# KiCad board Inkplate 6 SS_panel.kicad_pcb (continued)
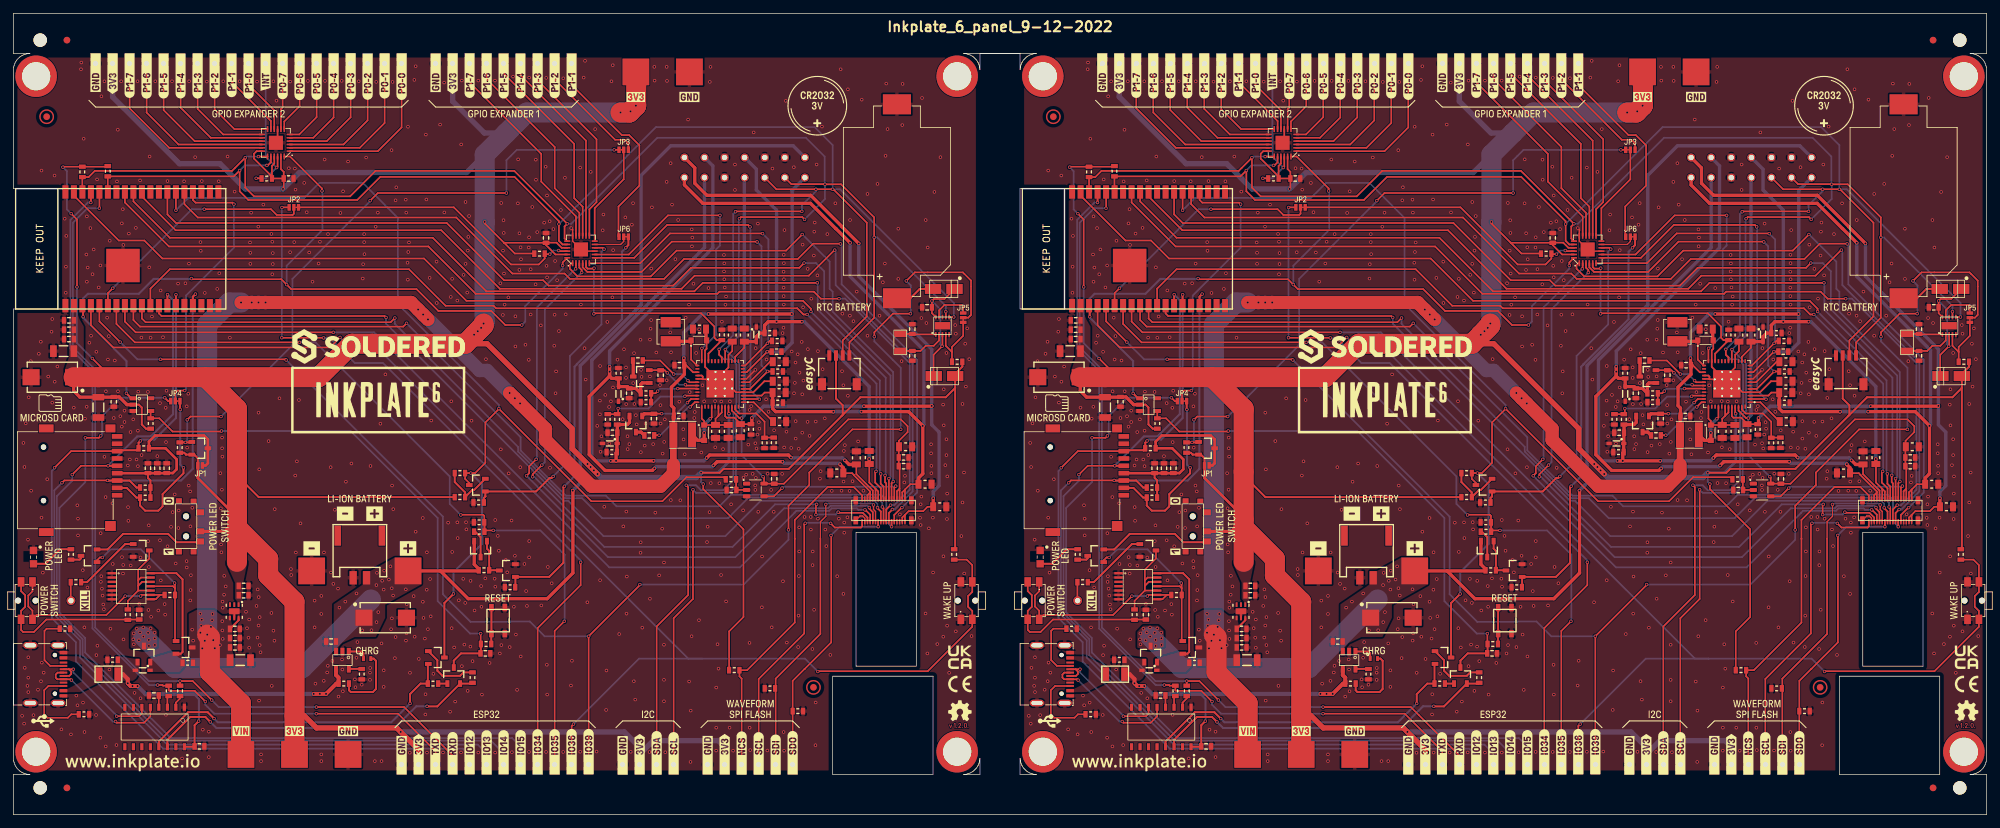
[diagram p0: board, top side]
## Routing (per net, layer and track width the routed paths; a pad name or vN(x,y) marks a point on that pad's centre or on a via; arc(x,y) is an arc through that point) (continued)
Board_0-SW_IN: length 17.1
  Top w0.3: U4#2.14 24.35,36.1 25.28,35.18 25.28,24.33 25,24.05 Q8#2.2
Board_0-SW_OUT_D: length 27.2
  Top w0.254: Q2.1 12.5,38.03 12.92,38.45 v1(13.3,38.45) ; 24.15,33.86 23.85,34.15 U4#2.11 ; 24.15,33.86 R25.2 24.15,26.11 Q8#2.1 ; 24.15,33.86 24.15,34.56 v1(24.08,34.62)
  Bottom w0.254: v1(13.3,38.45) 14.51,39.66 19.04,39.66 v1(24.08,34.62)
Board_0-TXD: length 129.7
  Top w0.254: K20#2.1 63.08,9.48 57.47,15.09 v1(45.26,15.09) ; v1(28.68,16.91) 27.08,18.51 23.31,18.51 23.19,18.63 23.2,18.64 R23#2.2 22.37,19.28 22.27,19.38 v1(21.55,19.38)
  Top w0.3: v1(11.57,91.52) 11.58,91.53 U12#2.35
  Bottom w0.254: v1(28.68,16.91) 28.68,16.43 30.02,15.09 v1(45.26,15.09) ; v1(11.57,91.52) 11.12,91.52 8.52,88.92 8.52,69.67 11.81,66.38 11.81,27.83 20.27,19.38 v1(21.55,19.38)
Board_0-V_BAT: length 119.9
  Top w0.254: U12#2.7 15.39,73.37 18.15,70.61 v1(42.75,70.61) ; v1(71.7,42.49) 70.57,42.49 R16#2.1 ; v1(82.3,28.9) 80.86,27.46 K18#2.1 ; R17#2.2 70.35,44.67 70.18,44.84 66.89,44.84 v1(66.85,44.8)
  Top w0.3: R16#2.1 70.38,43.68 R17#2.2
  Bottom w0.254: v1(82.3,28.9) 82.36,28.96 82.36,38.86 78.73,42.49 v1(71.7,42.49) ; v1(66.85,44.8) 65.19,46.46 65.19,50.56 45.14,70.61 v1(42.75,70.61)
Board_0-V_BAT_MOS: length 62.4
  Top w0.3: R15#2.2 75,34.03 Q3.1 80.06,35.55 82.17,37.66 82.17,48.94 v1(82.33,49.1) ; v1(91.5,84.75) 91.5,84.78 91.88,85.16 JP6.1
  Bottom w0.3: v1(91.5,84.75) 90.91,84.16 90.91,74.08 84.17,67.34 84.17,67.31 83.83,66.97 83.83,50.6 v1(82.33,49.1)
Board_0-VBAT: length 169.3
  Top w0.5: 63.79,36.44 67.95,32.28 79.74,32.28 83.59,36.13 83.59,48.42 v1(83.56,48.45) ; 63.79,36.44 69.44,36.44 R11.2 69.54,36.73 68.85,37.41 Q1#2.2 ; 63.79,36.44 PAD1.1
  Bottom w0.5: K1#2.8 116.5,100 98.2,100 93.78,95.58 93.78,76.21 84.7,67.13 84.7,49.59 v1(83.56,48.45)
  Bottom w3: v1(19.43,26.63) 24.12,21.93 43.18,21.93 53.41,32.16
  vias: v1(17.91,26.21) v1(17.97,27.09) v1(17.99,25.46) v1(18.42,27.81) v1(18.75,26.07) v1(18.92,27.25) v1(19.41,27.99) v1(20.12,27.18) v1(20.24,26.12) v1(20.25,25.22) v1(20.5,27.85) v1(21.1,27.21) v1(21.12,26.36) v1(21.14,25.37) v1(48.71,30.95) v1(49.58,31.85) v1(51.26,33.07) v1(52.13,27.55) v1(53.5,27.58) v1(54.23,34.32) v1(54.25,28.78) v1(54.32,36.15) v1(54.51,30.28) v1(55.09,34.96) v1(55.33,33.65) v1(55.39,36.48) v1(56.1,35.15) v1(56.33,37.12) v1(56.53,33.85) v1(56.73,32.76) v1(58.63,33.69)
Board_0-VCOM: length 74
  Top w0.254: 127.87,52.41 127.87,49.66 128.8,48.73 ; 128.8,48.73 K15.23 ; 128.8,48.73 129.2,48.33 K15.21 ; U1.14 107.84,68.46 109.2,69.82 C6.2 ; 110.98,70.73 D4#2.1
  Top w0.5: v1(127.85,53.17) 127.85,52.43 C54#2.2 ; C6.2 110.98,70.73 ; D4#2.1 111,71.48 111.52,72 R37#2.2 112.23,73.17 112.76,73.7 v1(114.02,73.7) v1(117.8,73.7)
  Bottom w0.5: v1(114.02,73.7) 114.02,90.38 111,93.4 111,96.5 K1#2.11 ; v1(117.8,73.7) 118.16,73.7 127.85,64.01 v1(127.85,53.17)
Board_0-VCOM_CTRL: length 50.4
  Top w0.254: U8#2.6 93.65,82.45 98.1,86.9 111.9,86.9 v1(111.93,86.87) ; U1.12 109.33,67.15 v1(112.65,70.47) 113,70.82 R6#2.1
  Bottom w0.254: v1(112.65,70.47) 112.8,70.62 112.8,86 v1(111.93,86.87)
Board_0-VDDH: length 104.9
  Top w0.254: C45.2 125.94,50.91 128.4,48.45 K15.25
  Top w0.5: v1(90.04,52.89) v1(89.25,52.89) ; v1(90.04,52.89) 90.04,54.07 R32.2 90.18,55.48 D2#2.2 90.2,57.07 C14.2 90.23,58.3 R39.2 91.73,58.33 92.05,58.65 D9.2 ; v1(90.04,52.89) 95.63,52.89 v1(95.64,52.9) ; C45.2 125.94,52.36 124.84,52.36 v1(124.22,52.98) ; v1(103.57,53.32) 104.02,53.77 115.79,53.77 v1(116.17,53.39)
  Bottom w0.5: v1(90.04,52.89) v1(89.25,52.89) 87.01,52.89 86.41,53.49 86.41,67.95 103.25,84.79 K1#2.2 ; v1(116.17,53.39) 116.22,53.34 123.86,53.34 v1(124.22,52.98) ; v1(103.57,53.32) 103.15,52.9 v1(95.64,52.9)
Board_0-VEE: length 111.2
  Top w0.254: 128,48.18 128,48.31 125.56,50.75 125.56,50.79 125.3,51.05 124,51.05 ; 128,48.18 K15.27 ; 128,48.18 127.6,47.78 K15.29
  Top w0.5: v1(104.58,52.21) 105.13,52.76 114.89,52.76 v1(114.9,52.77) ; v1(89.07,66.23) 89.07,65.57 86.03,62.53 86.03,53.83 88.39,51.46 95.46,51.46 v1(95.77,51.77) ; v1(89.07,66.23) v1(89.07,66.98) ; v1(89.07,66.23) 89.07,65.55 89.4,65.23 R38.2 90.4,64 D5.1 91.73,64 C15.2 93,63.73 R41.2 93.73,64.33 93.95,64.55 D6.1 ; C52.2 124,51.86 123.52,52.33 v1(123.52,52.4)
  Bottom w0.5: v1(123.52,52.4) 123.39,52.53 115.14,52.53 v1(114.9,52.77) ; v1(95.77,51.77) 96.03,52.03 104.4,52.03 v1(104.58,52.21) ; v1(89.07,66.23) v1(89.07,66.98) 89.07,69.31 104.5,84.74 104.5,97 K1#2.13
Board_0-VIN: length 237.8
  Top w0.254: C5.2 v1(112.62,69.22) 109.55,66.15 U1.10 ; C8#2.2 100.5,67.2 101.55,66.15 U1.27 ; 98.6,59.53 C10#2.2
  Top w0.3: C36#2.2 33.65,29.06 U3#2.6
  Top w0.5: v1(100.16,68.25) 100.16,67.27 C8#2.2 100.23,65.83 98.3,63.9 98.3,61.15 98.67,60.78 C10#2.2 ; L2#2.1 98.6,59.53 ; v1(116.3,74.85) v1(103.85,74.85)
  Top w1: 98.6,52.32 L2#2.1
  Top w2: v1(74.14,63.04) v1(74.93,62.26) v1(75.7,61.48) 79.49,57.69 79.49,56.01 86.41,49.09 96.67,49.09 98.6,51.02 98.6,52.32 ; v1(34.01,76.57) v1(35.61,76.57) v1(36.62,76.57) v1(37.67,76.57) 59.41,76.57 v1(60.47,75.52) v1(61.21,74.77) v1(61.94,74.04)
  Top w3: v1(28.96,26.91) 29.35,26.52 29.35,21.3 34,16.65 PAD4.1
  Bottom w0.5: v1(112.62,69.22) 112.66,69.18 114.95,69.18 116.34,70.57 116.34,74.81 v1(116.3,74.85) 116.34,74.89 116.34,93.34 K1#2.7 ; v1(103.85,74.85) 102.92,74.85 100.16,72.09 v1(100.16,68.25)
  Bottom w2: v1(37.67,76.57) v1(36.62,76.57) v1(35.61,76.57) v1(34.01,76.57) ; v1(60.47,75.52) v1(61.21,74.77) v1(61.94,74.04) 62.02,74.04 69.65,66.41 70.77,66.41 v1(74.14,63.04) v1(74.93,62.26) v1(75.7,61.48)
  Bottom w3: v1(34.01,76.57) 32.26,76.57 28.95,73.26 28.95,26.92 v1(28.96,26.91)
  vias: v1(26.71,27.66) v1(26.85,26.01) v1(27.93,30.04) v1(27.93,27.2) v1(28.05,28.23) v1(28.15,29.14) v1(28.22,24.86) v1(28.59,25.99) v1(29.52,28.07) v1(29.75,30) v1(29.68,29.07) v1(29.86,26.09) v1(30.09,24.88) v1(30.87,25.35) v1(31.2,28.92) v1(31.22,27.54) v1(31.28,26.27)
Board_0-VNEG: length 106.3
  Top w0.254: 133.2,48.6 134,49.4 C39.2 ; 133.2,48.6 K15.1 ; 133.2,48.6 132.8,48.2 K15.3 ; C2#2.2 112.24,63.1 111.79,62.65 U1.3
  Top w0.5: C39.2 135.23,50.33 135.87,50.97 135.87,58.13 133.75,60.25 v1(126.7,60.25) ; v1(122.5,60.24) 122.49,60.25 113.88,60.25 113.43,60.71 R8.1 C2#2.2 ; v1(125,85.5) 122.87,87.63 122.85,87.63 119.08,91.4 103,91.4 100.25,94.15 K1#2.1
  Bottom w0.5: v1(135.86,58.12) 136.02,58.28 136.02,69.44 125,80.46 v1(125,85.5) ; v1(126.7,60.25) 122.51,60.25 v1(122.5,60.24)
Board_0-VPOS: length 118.8
  Top w0.254: 133.2,44.83 132.8,44.43 K15.4 ; 133.2,44.83 133.75,45.38 135.93,45.38 136.58,46.03 C51.2 ; 133.2,44.83 K15.2 ; R20#2.1 C13.2 108.6,58.47 107.73,59.34 106.57,59.34 106.34,59.58 U1.44
  Top w0.5: K1#2.14 101.8,96.7 101.8,94.4 103.6,92.6 119.12,92.6 123.79,87.93 123.79,87.91 v1(126.3,85.4) ; v1(137.43,47.3) C51.2 ; R20#2.1 110.33,58.5 v1(110.33,59.3) ; v1(127.08,61.07) 137.16,61.07 v1(137.2,61.11)
  Bottom w0.5: v1(137.43,47.3) 137.43,48.3 138.3,49.17 138.3,57.19 137.2,58.29 v1(137.2,61.11) 137.2,69.58 126.3,80.48 v1(126.3,85.4) ; v1(110.33,59.3) 112.1,61.07 v1(127.08,61.07)
Board_0-VUSB: length 51
  Top w0.3: U5#2.16 27.02,10.15 C25#2.2 27.07,13.37 v1(27.68,13.98)
  Top w0.6: F1#2.1 16.36,21 17.09,20.27 v1(17.09,19.64) 17.51,19.22 v1(17.8,19.22) v1(18.55,19.22) ; U2#2.4 48.21,20.86 48.59,20.49 R9.1 48.25,19.59 v1(46.71,18.05) v1(45.79,18.05) v1(44.87,18.05)
  Bottom w0.3: 26.93,18.05 27.71,17.27 27.71,14.01 v1(27.68,13.98)
  Bottom w0.6: v1(17.09,19.64) 17.51,19.22 v1(17.8,19.22) v1(18.55,19.22) 19.72,18.05 v1(44.87,18.05) v1(45.79,18.05) v1(46.71,18.05)
Board_0-WAKEUP: length 54.4
  Top w0.254: R5#2.1 v1(112.66,66.26) 110.05,63.65 U1.5 ; v1(111.11,85.63) 111.07,85.67 98.37,85.67 93.84,81.14 85.75,81.14 85.05,81.83 U8#2.4
  Bottom w0.254: v1(111.11,85.63) 111.76,84.98 111.76,67.16 v1(112.66,66.26)
Board_1-3V3: length 696.5
  Top w0.254: 223.69,85.52 223.71,85.5 C55#2.2 ; 223.69,85.52 225.31,83.9 228.2,83.9 R45#2.1 ; 223.69,85.52 220.82,88.39 v1(220.82,88.62) ; R4.2 164.4,96.88 R1#2.2 157.88,96.88 v1(157.8,96.8) ; R36.1 257.33,27.4 259.48,29.55 259.48,42.67 253.46,48.68 v1(253.46,49.42) ; C55#2.2 230,85.52 231.55,85.52 232.32,84.75 U8.21 ; C55#2.2 229.98,85.15 231.38,83.75 U8.23 ; R31#2.2 290.9,39.63 290.9,39.6 ; 274.3,59.76 274.12,59.58 ; R51.1 189.03,97 189.37,97.34 U9#2.21 ; R51.1 C56.2 ; R51.1 189.03,95.41 186.34,98.09 186.34,98.81 186.73,99.2 U9#2.18 ; C56.2 190.79,96.11 190.37,96.53 U9#2.23 ; C56.2 190.79,93.64 190.7,93.55 ; v1(159.9,78.9) 159.9,88.99 v1(159.03,89.86) ; U1#2.45 257.24,60.03 v1(257.31,59.95) ; v1(162.2,68.2) 164.05,66.35
  Top w0.3: K8#2.3 273.3,62.2 274.3,61.2 274.3,59.76 ; R46.2 170.22,57.71 169.58,58.34 169.58,60.87 169.15,61.3 U6#2.2 ; JP1#2.2 177.95,53.3 177.42,53.83 Q10.2 176.18,53.83 176.18,53.85 175.93,54.11 R44.1 ; 290.9,39.6 291.1,39.8 291.1,63.8 ; R27.2 187.05,47.47 183.8,50.72 183.8,51.26 ; 291.1,63.8 289.7,62.4 276.94,62.4 266.24,51.7 256.5,51.7 255.92,51.12 v1(253.14,51.12) ; 291.1,63.8 D10#2.1 291.1,65.9 292.18,66.98 R33.2
  Top w0.4: JP1#2.2 177.95,50.33 183.8,44.48 183.8,44.13
  Top w0.5: C50#2.1 159.4,63.36 160.33,62.43 C29#2.2 165.37,62.43 C30.2 166.22,62.46 167.37,61.3 U6#2.2 ; 183.8,44.13 182.02,42.35 S1.2
  Top w0.8: K52.1 210.94,9.69 v1(208.27,12.37) 207.67,12.96 195.69,12.96 193.84,14.81 192.4,14.81 ; 217.9,70.4 221.18,70.4 233.88,57.7 233.88,54.73 v1(237.68,50.93)
  Top w1.2: 202.4,69.81 200.68,69.81 200.52,69.65 200.52,69.64 199.34,68.46 201.28,70.4 204,70.4
  Top w3: 179.1,65.4 183.8,60.7 183.8,42.92 ; 179.1,65.4 C50#2.1 ; 179.1,65.4 196,65.4 201,70.4 217.9,70.4 219.23,71.73 v1(219.23,71.75) 220.25,72.78 v1(220.28,72.78) v1(219.78,72.28) 220.65,73.15 v1(220.65,73.43) ; 243.4,110.8 243.45,110.75 243.45,106.05 v1(243.4,106) 243.4,105.95 v1(242.6,105.15) 242.43,104.98 v1(241.1,104.98) ; 183.8,42.92 188.47,38.25 188.47,35.76 192.4,31.83 PAD6#2.1 ; 183.8,42.92 183.8,37.8
  Bottom w0.254: v1(253.46,49.42) 253.14,49.74 v1(253.14,51.12) ; v1(157.8,96.8) 158.4,96.2 158.4,90.49 v1(159.03,89.86) ; v1(162.2,68.2) 159.9,70.5 v1(159.9,78.9)
  Bottom w0.4: v1(253.14,51.12) 255.65,51.12 257.31,52.79 v1(257.31,59.95)
  Bottom w0.8: K51.1 216.02,106.66 220.76,101.91 224.04,101.91 ; 220.82,98.7 218.13,96 193.13,96 v1(190.68,93.55) 185.05,93.55 181.28,97.33 175.2,97.33 165.22,107.31 K56.1 ; v1(253.14,51.12) 252.42,50.4 238.2,50.4 v1(236.18,52.43) ; v1(208.27,12.37) 241.67,12.37 243.96,10.07 K7.1 243.96,9.03 246,11.07 255.72,11.07 256.66,10.13 K30.1
  Bottom w3: v1(243.4,106) 243.4,105.95 v1(242.6,105.15) 242.43,104.98 v1(241.1,104.98) 227.1,104.98 220.82,98.7 v1(220.82,88.62) 220.8,88.6 220.8,73.58 v1(220.65,73.43) 220.65,73.15 v1(219.78,72.28) v1(220.28,72.78) 220.25,72.78 v1(219.23,71.75)
  vias: v1(236.65,51.98) v1(237.13,51.48)
Board_1-3V3-EINK: length 88.9
  Top w0.254: K15#2.7 282.4,48.35 282.8,48.75 ; v1(262.4,50.53) 262.55,50.38 U7#2.5 264.06,49.49 C31.2 265.51,49.48 275.13,59.1 282.98,59.1 284,58.08 284,57.2 282.69,55.89 282.69,54.75 282.67,54.73 C44#2.2 C43.2 282.8,51.97 K15#2.5 ; v1(259.2,59.29) 258.86,59.29 257.74,60.42 U1#2.46
  Bottom w0.254: v1(262.4,50.53) 259.2,53.73 v1(259.2,59.29)
  Bottom w0.5: K1.4 259.6,95.2 259.6,59.69 v1(259.2,59.29)
Board_1-3V3_MICROSD: length 34.2
  Top w0.3: C34#2.2 170.5,50.35 170.88,49.98 R47#2.2
  Top w0.4: JP1#2.1 179.14,52.21 179.46,52.53 Q10.3 179.46,56.11 178.89,56.68 171.56,56.68 170.65,55.77 R49#2.2 173.13,54.78 174.79,53.11 174.79,51.64 174.22,51.07 C32.2 173.28,51.05 K13.4
Board_1-3V3_RTC: length 20.9
  Top w0.254: U10.10 287.63,74.97 C42.2 v1(287.63,76.8) 287.93,77.1 289.5,77.1 D11.2 ; D10#2.2 287.87,65.6 287.87,68.75 v1(289.15,70.03) 289.2,70.08 U10.3
  Bottom w0.254: v1(289.15,70.03) 288.9,70.28 288.9,75.53 v1(287.63,76.8)
Board_1-/CTRL & COMS/CH_RXD: length 1.8
  Top w0.254: R23.1 173.41,17.53 U5.3
Board_1-/CTRL & COMS/CH_TXD: length 1.9
  Top w0.254: U5.2 174.68,16.75 175.3,17.37 R24.1
Board_1-/CTRL & COMS/DTR: length 49.6
  Top w0.3: v1(180.38,14.36) 179.43,15.31 176.51,15.31 172.14,10.94 U5.13 ; Q7#2.2 212.32,22.47 R19.2 211.23,19.59 209.66,18.02 v1(209.66,16.62)
  Bottom w0.3: v1(209.66,16.62) 206.85,13.81 180.93,13.81 v1(180.38,14.36)
Board_1-/CTRL & COMS/RTS: length 51.5
  Top w0.3: v1(179.82,13.86) 179.07,14.61 176.83,14.61 173.41,11.19 U5.14 ; R22#2.2 218.87,19.59 Q5.2 213.73,16.18 212.22,16.18 v1(212.2,16.2)
  Bottom w0.3: v1(179.82,13.86) 180.73,12.95 207.35,12.95 210.6,16.2 v1(212.2,16.2)
Board_1-/MCU/GPB_3: length 29.8
  Top w0.254: U8.13 236.45,90.52 237.52,91.59 237.52,100.98 228.72,109.78 K19.1
Board_1-/MCU/GPB_4: length 29.8
  Top w0.254: K23.1 226.18,110.55 235.95,100.78 U8.14
Board_1-/MCU/GPB_5: length 30.6
  Top w0.254: U8.15 235.45,90.9 234.18,92.17 234.18,100.29 223.64,110.83 K24#2.1
Board_1-/MCU/GPB_6: length 31.5
  Top w0.254: K31.1 221.1,109.99 231.27,99.82 231.27,93.66 234.95,89.98 U8.16
Board_1-/MCU/GPB_7: length 32.3
  Top w0.254: K32.1 218.56,109.49 229.26,98.79 229.26,94.64 234.45,89.45 U8.17
Board_1-/MCU/INTB: length 45.1
  Top w0.254: v1(230.54,83.8) 229.85,83.8 R45#2.2 229.78,83.14 228.9,82.26 224.74,82.26 216.2,90.8 JP2#2.1 ; v1(231.86,84.34) 231.95,84.25 U8.22
  Bottom w0.254: v1(230.54,83.8) 231.08,84.34 v1(231.86,84.34)
Board_1-/POWER/INT_LDO: length 5.7
  Top w0.254: C4.2 263.44,67.72 260.37,64.65 U1#2.7
Board_1-/POWER/TS: length 9.4
  Top w0.254: U1#2.47 258.24,60.57 258.83,59.98 261.39,59.98 262.62,58.75 R3#2.2 262.65,56.38 R2.2
Board_1-/POWER/VB: length 11
  Top w0.254: U1#2.37 253.24,59.22 253.6,58.85 D3.1 257.18,58.25 C12#2.2 ; 255.74,59.63 255.3,59.19 C11#2.1 ; 255.74,59.63 U1#2.42 ; 255.74,59.63 256.24,60.13 U1#2.43
Board_1-/POWER/VB_SW: length 7.7
  Top w0.254: v1(254.5,59.18) 254.74,59.42 U1#2.40
  Top w0.5: v1(253.6,57.07) D3.2 252.65,55.95 L2.2
  Bottom w0.5: v1(254.5,59.18) 253.6,58.28 v1(253.6,57.07)
Board_1-/POWER/VN: length 22.6
  Top w0.254: U1#2.49 254.48,66.2 253.74,66.95 U1#2.23 253.74,69.43 253.96,69.65 253.96,70.89 D1.2 ; U1#2.28 253.23,65.65 253.39,65.49 253.39,65.23 253.31,65.15 ; U1#2.49 257.24,66.86 U1#2.16 257.24,68.74 257.8,69.3 C7.2 ; U1#2.49 258.35,63.15 U1#2.4 260.95,63.15 262.6,64.8 C3.2 ; U1#2.49 253.38,65.09 253.31,65.15 ; 253.31,65.15 U1#2.29
  Top w0.5: C9#2.1 253.88,70.98 D1.2
Board_1-/POWER/VN_SW: length 7.3
  Top w0.254: U1#2.25 252.53,67.15 251.65,68.03 D1.1
  Top w0.5: L1.2 251.53,70.78 D1.1
Board_1-/POWER/VREF: length 5.7
  Top w0.254: U1#2.1 261.01,61.65 C1#2.2
Board_1-/SD_RTC_GPIO/CLKOUT_RTC: length 6
  Top w0.254: U10.9 288.7,75.4 289.5,76.2 292.1,76.2 292.3,76 JP5#2.3
Board_1-/SD_RTC_GPIO/X1: length 5.3
  Top w0.254: U10.1 284.77,71.8 C40.2 284.69,71.88 X1.1
Board_1-/SD_RTC_GPIO/X2: length 7.4
  Top w0.254: X1.2 C41#2.2 285.93,69.33 286.7,70.1 287.9,70.1 288.7,70.9 U10.2
Board_1-D+: length 20.4
  Top w0.254: U5.5 170.87,14.69 169.92,13.74 165.84,13.74 v1(165.66,13.92) ; v1(159.07,20.11) 158.94,20.24 K3.B6 156.96,20.24 156.72,20.48 156.72,20.95 157.01,21.24 K3.A6
  Bottom w0.254: v1(165.66,13.92) 165.65,13.91 165.27,13.91 v1(159.07,20.11)
Board_1-D-: length 18.2
  Top w0.254: K3.A7 158.75,20.74 159.04,21.03 159.04,21.38 158.68,21.74 ; v1(159.35,21.74) 158.69,21.74 158.68,21.74 ; 158.68,21.74 K3.B7 ; v1(165.83,14.71) 169.2,14.71 169.6,15.11 U5.6
  Bottom w0.254: v1(165.83,14.71) 165.83,14.79 159.35,21.27 v1(159.35,21.74)
Board_1-EPD_CKV: length 134
  Top w0.254: 277.63,45.45 277.8,45.45 278.4,44.85 K15#2.28 ; v1(198.2,72.11) 168.67,72.11 167.06,73.72 U12.8
  Bottom w0.254: v1(198.2,72.11) 204.29,72.11 239.43,36.98 258.95,36.98 267.1,45.13 267.1,45.15 267.37,45.42 272.29,45.42 272.66,45.79 276.42,45.79 276.64,45.58 v1(277.63,45.58)
Board_1-EPD_CL: length 22.3
  Top w0.254: U7#2.4 264.01,47.59 v1(265.24,48.82) ; K15#2.9 282,48.9 v1(282.23,49.13)
  Bottom w0.254: v1(282.23,49.13) 282.13,49.03 265.45,49.03 v1(265.24,48.82)
Board_1-EPD_D0: length 146
  Top w0.254: v1(268.53,82.47) 267.82,81.76 251.63,81.76 248.97,79.1 230.35,79.1 229.55,79.9 223.7,79.9 215.15,88.45 174.7,88.45 173.41,89.74 U12.26 ; v1(281.2,50.25) K15#2.13
  Bottom w0.254: v1(268.53,82.47) 270.3,82.47 271.53,81.24 271.53,75.55 281.45,65.64 281.45,50.49 v1(281.2,50.25)
Board_1-EPD_D1: length 159.4
  Top w0.254: v1(273.11,84.41) 273.07,84.41 269.24,80.58 252.18,80.58 250.23,78.63 223.07,78.63 214.32,87.38 174.64,87.38 169.6,92.41 U12.29 ; v1(281.73,45.63) 281.2,45.1 K15#2.14
  Bottom w0.254: v1(273.11,84.41) 273.25,84.27 273.25,79.17 284.74,67.68 284.74,48.31 282.05,45.63 v1(281.73,45.63)
Board_1-EPD_D2: length 146.3
  Top w0.254: v1(270.5,79.52) 270.48,79.5 253.39,79.5 252.14,78.25 221.05,78.25 213.05,86.25 173.77,86.25 168.33,91.69 U12.30 ; K15#2.15 280.8,49.53 280.63,49.7 v1(280.63,50.73)
  Bottom w0.254: v1(280.63,50.73) 280.73,50.83 280.73,65.34 270.57,75.49 270.57,79.45 v1(270.5,79.52)
Board_1-EPD_D3: length 154.5
  Top w0.254: v1(273.75,77.14) 271.05,77.14 270,78.19 255.89,78.19 255.57,77.87 219.48,77.87 212.4,84.95 173.64,84.95 167.06,91.53 U12.31 ; v1(281.45,46.28) 280.8,45.63 K15#2.16
  Bottom w0.254: v1(281.45,46.28) 282,46.28 284.31,48.59 284.31,67.51 274.67,77.15 273.76,77.15 v1(273.75,77.14)
Board_1-EPD_D4: length 150.6
  Top w0.254: v1(269.55,75.22) 269.55,75.64 268.37,76.82 218.08,76.82 211.75,83.15 172.65,83.15 169.96,85.84 166.15,85.84 159.44,92.55 U12.37 ; K15#2.17 280.4,49.05 279.98,49.48 v1(279.98,50.95)
  Bottom w0.254: v1(279.98,50.95) 279.85,51.08 279.85,64.92 v1(269.55,75.22)
Board_1-EPD_D5: length 130.8
  Top w0.254: U12.10 169.6,74.18 170.16,73.62 206.76,73.62 v1(207.39,74.25) ; v1(280.23,46) 280.4,45.83 K15#2.18
  Bottom w0.254: v1(280.23,46) 280.23,46.6 279.43,47.4 260.23,47.4 257.15,44.33 238.35,44.33 235.37,47.31 232.78,47.31 225.8,54.29 225.8,54.98 207.39,73.39 v1(207.39,74.25)
Board_1-EPD_D6: length 137
  Top w0.254: v1(268.99,74.78) 268.44,74.78 267.51,75.71 222.51,75.71 222.14,76.08 214.97,76.08 209.5,81.55 173.78,81.55 170.87,78.65 U12.11 ; K15#2.19 280,48.8 279.15,49.65 279.15,51.2 v1(279.28,51.33)
  Bottom w0.254: v1(279.28,51.33) 279.35,51.4 279.35,64.43 269,74.78 v1(268.99,74.78)
Board_1-EPD_D7: length 128.1
  Top w0.254: v1(279.5,45.88) 279.5,45.83 280,45.33 K15#2.20 ; v1(206.08,74.33) 205.86,74.55 172.53,74.55 172.14,74.94 U12.12
  Bottom w0.254: v1(206.08,74.33) 206.08,73.41 232.56,46.93 233.28,46.93 238.56,41.65 256.78,41.65 262.05,46.93 279.05,46.93 279.5,46.48 v1(279.5,45.88)
Board_1-EPD_GMODE: length 96.7
  Top w0.254: v1(228.5,53.12) 227.45,52.07 227.45,51.05 v1(227.06,50.66) ; K15#2.26 278.8,45.23 278.28,45.75 v1(278.28,45.93) ; v1(234.4,81.6) 234.45,81.65 U8.2
  Bottom w0.254: v1(227.06,50.66) 227.07,50.66 239.23,38.5 258.25,38.5 265.55,45.8 272.13,45.8 272.5,46.17 278.03,46.17 v1(278.28,45.93) ; v1(234.4,81.6) 234.38,81.6 228.61,75.84 228.61,53.23 v1(228.5,53.12)
Board_1-EPD_LE: length 154.4
  Top w0.254: v1(283.15,45.9) 283.1,45.9 282,44.8 K15#2.10 ; U12.24 175.95,91.28 177.95,89.28 216.57,89.28 224.95,80.9 232.75,80.9 233.55,80.1 247.62,80.1 250.59,83.07 267.58,83.07 269.88,85.37 273.93,85.37 v1(273.97,85.33)
  Bottom w0.254: v1(273.97,85.33) 274.14,85.16 274.14,79.29 285.41,68.02 285.41,48.16 v1(283.15,45.9)
Board_1-EPD_OE: length 84.2
  Top w0.254: v1(281.85,49.8) 281.6,49.55 K15#2.11 ; U8.1 233.79,82.45 233.53,82.19 233.53,81.62 234.67,80.48 245.63,80.48 249.48,84.33 265.84,84.33 v1(268.25,86.74)
  Bottom w0.254: v1(268.25,86.74) 268.29,86.74 272.35,82.68 272.35,78.63 272.8,78.18 272.8,75.2 281.83,66.18 281.83,49.83 v1(281.85,49.8)
Board_1-EPD_SPH: length 133.9
  Top w0.254: U12.9 168.33,73.95 169.31,72.97 208.65,72.97 v1(209.14,73.46) ; v1(281.6,43.05) K15#2.12
  Bottom w0.254: v1(281.6,43.05) 280.83,43.82 280.83,47.05 280.05,47.83 257.6,47.83 255.88,46.1 240.5,46.1 238.91,47.69 232.93,47.69 226.18,54.45 226.18,56.43 v1(209.14,73.46)
Board_1-EPD_SPV: length 94.9
  Top w0.254: v1(229.35,52.26) 227.98,50.89 v1(227.98,50.51) ; U8.3 234.95,81.78 235.3,81.43 v1(235.3,81.05) ; v1(270.3,44.85) 270.3,46.29 v1(270.4,46.39) ; v1(273.63,45.23) 273.73,45.13 277.3,45.13 278,44.42 K15#2.30
  Bottom w0.254: v1(229.35,52.26) 229.8,52.71 229.8,75.55 v1(235.3,81.05) ; v1(273.63,45.23) 273.28,44.88 270.33,44.88 v1(270.3,44.85) ; v1(270.4,46.39) 264.19,46.39 257.83,40.03 238.69,40.03 228.2,50.51 v1(227.98,50.51)
Board_1-GND: length 13.9
  Top w0.2: v1(233.73,87.7) 233.95,87.48 U8.18 233.95,85.75 U8.25 235.45,84.25 U8.9 ; v1(261.25,66.5) 259.9,65.15 U1#2.8 ; K15#2.SH 276.9,44.65 277.27,44.65 277.6,44.32 K15#2.32 ; 257.5,61.85 v1(257.45,61.8)
  Top w0.254: U9#2.25 189.87,100.7 U9#2.9 ; U3.5 U3.5
  vias: v1(151.7,14.77) v1(151.9,55.58) v1(152,13.6) v1(152.05,51.98) v1(152.1,21.95) v1(152.25,58.5) v1(152.5,19.25) v1(152.58,41.11) v1(152.63,23.53) v1(152.63,20.48) v1(152.63,18.33) v1(152.7,62.4) v1(153,67.8) v1(153.05,48.43) v1(153.4,14.88) v1(154.08,18.68) v1(154.2,68.9) v1(154.5,70.7) v1(154.53,19.95) v1(154.6,96.3) v1(154.6,44.4) v1(154.65,22.73) v1(154.8,36.18) v1(154.93,21.23) v1(155.45,50.15) v1(155.6,65.5) v1(156.1,72.2) v1(156.2,74.1) v1(156.2,61.6) v1(156.55,95.55) v1(156.58,64.73) v1(156.98,67) v1(157.58,12.75) v1(158.08,89.1) v1(158.23,78.03) v1(158.3,86.53) v1(158.25,81.93) v1(159,12) v1(159.43,60.85) v1(159.8,17.8) v1(159.95,46.25) v1(159.98,16.35) v1(160.05,44.25) v1(160.05,41.75) v1(160.5,111.45) v1(160.55,112.45) v1(160.78,36.55) v1(160.8,16.75) v1(160.9,101.05) v1(161,28) v1(161.03,12.35) v1(161.1,59.2) v1(161.3,83.75) v1(161.38,89.45) v1(161.38,79.68) v1(161.35,60.98) v1(161.5,81.8) v1(161.46,33.96) v1(161.75,70.55) v1(161.9,87.7) v1(162,71.6) v1(162.23,80.8) v1(162.4,84.5) v1(162.8,69.2) v1(162.8,23.85) v1(162.75,14.9) v1(162.9,94.98) v1(162.95,25.25) v1(163.15,78.83) v1(163.4,82.11) v1(163.44,42.08) v1(163.4,11.5) v1(163.53,35.65) v1(163.48,34.8) v1(163.55,107.4) v1(163.63,33.78) v1(163.73,32.75) v1(163.83,31.43) v1(163.92,30.71) v1(164,109.65) v1(164,53.5) v1(164.23,63.3) v1(164.18,47.48) v1(164.2,10.2) v1(164.4,74.3) v1(164.53,68.05) v1(164.65,71.55) v1(164.8,85.8) v1(164.75,21.7) v1(164.9,27.8) v1(165.2,46.55) v1(165.25,37.48) v1(165.4,59.3) v1(165.55,67.9) v1(165.8,10.4) v1(165.88,94.68) v1(166,102.4) v1(166.03,63.3) v1(166.38,59.58) v1(166.5,109.65) v1(166.6,88.4) v1(166.6,58) v1(166.63,38.5) v1(166.75,90.53) v1(166.83,85.18) v1(166.8,37.33) v1(166.78,36.05) v1(166.85,26.2) v1(167,60.4) v1(167,58.7) v1(167.5,52.2) v1(167.53,45.98) v1(167.58,43.93) v1(167.65,86.88) v1(167.8,53.1) v1(167.9,57.2) v1(167.93,37.25) v1(168.3,59.1) v1(168.5,18.2) v1(168.7,87.73) v1(168.8,53.1) v1(168.95,109.65) v1(169,57.4) v1(169,52.1) v1(169.05,63.25) v1(169.2,31.53) v1(169.33,94.83) v1(169.4,38.45) v1(169.4,17.4) v1(169.53,71.33) v1(169.56,53.76) v1(170.5,63.2) v1(170.53,40.9) v1(170.63,43.25) v1(170.58,30.6) v1(170.69,81.83) v1(170.65,37.03) v1(170.75,98.4) v1(170.9,71.3) v1(170.98,29.58) v1(171.1,74.48) v1(171.6,109.65) v1(171.9,53.6) v1(172.05,30.53) v1(172.3,61.53) v1(172.3,41.03) v1(172.4,78.38) v1(172.43,35.03) v1(172.75,71.38) v1(173,31.48) v1(173.08,29.9) v1(173.15,60.83) v1(173.2,55.7) v1(173.19,14.92) v1(173.28,63.38) v1(173.43,94.73) v1(173.43,40.13) v1(173.95,43.03) v1(174.1,109.65) v1(174.2,45.23) v1(174.5,47.88) v1(174.65,37.55) v1(175,79.4) v1(175.1,45.48) v1(175.05,42.85) v1(175.6,8.4) v1(175.9,94.7) v1(176.1,79.45) v1(176.3,61.05) v1(176.28,37.9) v1(176.3,36.95) v1(176.35,54.88) v1(176.53,62.93) v1(176.63,82.38) v1(176.6,49.2) v1(176.65,109.65) v1(176.8,48.33) v1(176.83,32.03) v1(176.85,43.1) v1(176.93,35.8) v1(176.88,33.58) v1(177.13,45.88) v1(177.55,98.3) v1(178.35,85.6) v1(178.4,84.3) v1(178.55,94.73) v1(178.7,12.7) v1(179,78) v1(179.3,109.6) v1(179.6,12.4) v1(179.6,8.6) v1(180.85,78.6) v1(181.08,94.7) v1(181.15,80.95) v1(181.33,51.05) v1(181.4,45.8) v1(181.43,40.4) v1(181.48,39.23) v1(181.58,56.38) v1(181.58,54.78) v1(181.63,53.53) v1(181.55,48.58) v1(181.65,31.85) v1(181.68,30.93) v1(181.75,109.65) v1(181.9,35.7) v1(181.88,32.88) v1(182.13,34.13) v1(182.4,98.4) v1(182.74,71.31) v1(183.45,93.15) v1(184.2,109.65) v1(185.15,30.33) v1(185.3,27.88) v1(185.53,26.45) v1(185.63,29.18) v1(185.63,24.95) v1(185.75,85.55) v1(185.8,84) v1(185.8,82.35) v1(185.92,90) v1(186.73,31.2) v1(186.8,109.6) v1(186.9,33.68) v1(186.88,26.48) v1(186.99,87.91) v1(187.03,60.1) v1(187.03,28.28) v1(187.13,51.63) v1(187.05,32.53) v1(187.1,17.05) v1(187.2,29.53) v1(187.2,25.35) v1(187.33,24.28) v1(187.4,9) v1(187.4,8) v1(187.74,91.21) v1(188.53,55.85) v1(188.94,86.82) v1(188.95,30.15) v1(189,19.25) v1(189.08,85.65) v1(189.08,80.8) v1(189.16,83.96) v1(189.16,82.32) v1(189.25,109.65) v1(189.25,27.5) v1(189.4,26) v1(189.45,45.68) v1(189.71,106.75) v1(190.15,62.25) v1(191.55,96.65) v1(191.74,84.09) v1(191.75,109.6) v1(191.87,36.72) v1(191.9,35.83) v1(192.35,85.6) v1(192.45,96.6) v1(192.5,50.7) v1(192.55,93.45) v1(192.6,39.2) v1(192.75,52.83) v1(193.06,61.99) v1(193.3,43.55) v1(193.85,94.45) v1(194.23,90.07) v1(194.4,109.7) v1(194.59,84.05) v1(195.09,79.68) v1(195.4,32) v1(195.4,28) v1(195.53,19.58) v1(196,82.4) v1(196.2,85.65) v1(196.4,32.7) v1(196.4,30) v1(196.4,9) v1(196.4,8) v1(196.8,39.2) v1(196.78,20) v1(196.9,97.95) v1(196.95,109.7) v1(197.28,21.25) v1(197.4,86.8) v1(197.38,22.25) v1(197.8,51.95) v1(197.85,36.2) v1(198.05,22.98) v1(198.2,34.5) v1(198.43,45.58) v1(198.9,33.8) v1(198.98,17.65) v1(199.26,89.96) v1(199.45,109.7) v1(199.5,23.2) v1(199.55,21.7) v1(199.63,18.45) v1(199.65,93.2) v1(200.08,49.78) v1(200.4,97.65) v1(200.9,52.5) v1(201.43,20.23) v1(201.5,19.05) v1(201.65,23.45) v1(201.8,25.8) v1(202,109.65) v1(202.45,19.42) v1(202.6,80.15) v1(202.65,82.3) v1(202.8,86.8) v1(202.8,85.6) v1(202.85,83.8) v1(203.1,98.25) v1(203.7,21.93) v1(203.68,21.23) v1(203.68,20.15) v1(203.75,52.13) v1(204.4,8) v1(204.52,87.9) v1(204.6,109.55) v1(204.85,90) v1(205.23,58.45) v1(205.4,25.6) v1(205.4,8) v1(205.73,21.58) v1(205.73,19.1) v1(205.98,65.83) v1(206.83,27.73) v1(206.9,99.35) v1(206.98,49.2) v1(206.95,29.35) v1(207.05,109.55) v1(207.15,45.68) v1(207.4,23.4) v1(207.5,91.85) v1(207.5,26.55) v1(207.6,93.8) v1(209.03,91.95) v1(209.09,90.01) v1(209.13,27.11) v1(209.05,26.03) v1(209.17,31.45) v1(209.29,82.51) v1(209.33,79.98) v1(209.35,102.85) v1(209.39,84.12) v1(209.5,85.55) v1(209.63,9.25) v1(209.65,21.2) v1(210.2,32.68) v1(210.3,109.85) v1(210.35,26.6) v1(210.5,111.9) v1(210.5,42.3) v1(210.98,23.28) v1(211.58,44.35) v1(211.58,31.83) v1(211.67,29.41) v1(211.88,26.33) v1(212.03,101.68) v1(211.98,18) v1(211.95,14.98) v1(212.1,91.98) v1(212.18,39.23) v1(212.15,33.63) v1(212.19,9.27) v1(212.33,27.73) v1(212.59,80.25) v1(212.65,35.23) v1(212.83,58.93) v1(212.75,29.65) v1(213.15,21.05) v1(213.62,82.68) v1(213.65,76.5) v1(214.15,103.18) v1(214.58,9.29) v1(214.75,109.45) v1(214.78,90.04) v1(215.35,43.65) v1(215.64,15.39) v1(215.75,77.4) v1(215.83,61.8) v1(215.88,27.88) v1(215.95,80.11) v1(215.95,39.28) v1(216.25,25) v1(216.4,16.9) v1(216.72,76.86) v1(216.73,43.7) v1(216.78,41.35) v1(216.95,32.05) v1(217.3,100.2) v1(217.28,9.3) v1(217.4,109.75) v1(217.4,22.2) v1(217.6,35.25) v1(217.65,80.7) v1(217.78,25.43) v1(217.9,31.65) v1(217.95,91.6) v1(217.95,82.35) v1(218.03,43.73) v1(218.08,42.65) v1(218.2,78.05) v1(218.29,84.33) v1(218.28,18.5) v1(218.36,86.38) v1(218.48,89.5) v1(218.7,34.95) v1(218.68,25.13) v1(218.85,58.9) v1(219,22.95) v1(219.3,30.53) v1(219.85,109.75) v1(219.85,9.28) v1(220.28,34.18) v1(220.33,31.08) v1(220.4,17.95) v1(220.9,35.33) v1(221,68.1) v1(221.55,22.68) v1(222.3,35.28) v1(222.35,109.75) v1(222.38,44.05) v1(222.4,34.08) v1(222.37,9.28) v1(222.78,41.68) v1(222.93,39.45) v1(223.08,24.1) v1(223.15,79.45) v1(223.23,54.63) v1(223.28,91.45) v1(223.3,25.35) v1(223.53,74.71) v1(223.63,88.88) v1(223.55,84.33) v1(223.66,86.97) v1(223.7,80.9) v1(223.79,76.25) v1(223.98,38.08) v1(224.18,36.23) v1(224.35,77.34) v1(224.4,51.03) v1(224.55,25.05) v1(224.83,43.98) v1(224.88,9.33) v1(225.05,110.35) v1(225.18,31.08) v1(225.33,38.7) v1(225.4,74.51) v1(225.4,70) v1(225.48,26.93) v1(225.65,18.65) v1(225.8,97.98) v1(225.78,91.4) v1(226,86.93) v1(225.99,81.44) v1(226.13,51.95) v1(226.18,84.83) v1(226.24,83.04) v1(226.2,23.65) v1(226.75,37.48) v1(226.9,70.25) v1(227,33.43) v1(227.13,31.2) v1(227.44,86.32) v1(227.4,84.8) v1(227.4,68) v1(227.43,9.38) v1(227.45,110.2) v1(227.45,40.9) v1(227.45,38.48) v1(227.69,81.55) v1(227.68,74.78) v1(227.93,90.85) v1(228.42,79.29) v1(228.45,97.93) v1(228.48,94.93) v1(228.65,87.1) v1(229.2,73.15) v1(229.28,31.28) v1(229.7,88.5) v1(229.92,96.87) v1(230,110.15) v1(229.98,9.37) v1(230.13,92.58) v1(230.05,82.05) v1(230.13,80.34) v1(230.1,22.4) v1(230.15,17.95) v1(230.25,37.03) v1(230.53,88.73) v1(230.57,51.85) v1(230.83,34.6) v1(231.08,87.55) v1(231.2,70.1) v1(231.33,82.78) v1(231.26,74.74) v1(231.4,63) v1(231.48,66.28) v1(231.63,79.91) v1(231.9,72.3) v1(232.2,90.4) v1(232.54,9.37) v1(232.55,110.1) v1(232.8,95.22) v1(232.93,74.8) v1(233.7,19.3) v1(233.85,23) v1(235.08,96.75) v1(235.08,9.4) v1(235.19,76.27) v1(235.6,110.2) v1(235.73,69.74) v1(235.8,112.7) v1(235.9,65.05) v1(236.15,31.75) v1(236.66,96.1) v1(237.31,102.5) v1(237.53,9.43) v1(237.63,58.13) v1(238.03,61.9) v1(238.03,59.85) v1(238.05,67.08) v1(238.13,54.25) v1(238.05,35.05) v1(238.25,56.58) v1(238.45,87.38) v1(238.55,89.73) v1(238.68,46.03) v1(238.83,62.75) v1(239,21.55) v1(238.95,15.65) v1(239.13,73.66) v1(239.4,60.95) v1(239.43,55.48) v1(239.68,61.8) v1(239.75,109.65) v1(239.89,77.34) v1(239.95,112.05) v1(240,84.4) v1(239.98,63.88) v1(240.65,68.03) v1(240.9,27) v1(241.43,59.13) v1(241.53,43.1) v1(241.63,69.58) v1(241.83,89.3) v1(241.93,66.88) v1(241.93,65.3) v1(241.95,61.38) v1(241.97,45.31) v1(242,30.05) v1(242.05,35.6) v1(242.15,56.58) v1(242.18,54.65) v1(242.43,55.4) v1(242.64,9.39) v1(242.8,88.2) v1(242.98,91.43) v1(243,64.53) v1(243.13,69) v1(243.1,19.95) v1(243.18,61.4) v1(243.3,17.2) v1(243.4,59.73) v1(243.53,58.35) v1(244.1,71) v1(244.13,40.73) v1(244.1,39.15) v1(244.18,66.5) v1(244.15,54.2) v1(244.25,65.45) v1(244.35,27.95) v1(244.73,55.18) v1(244.85,58.45) v1(245.43,9.36) v1(245.5,71.03) v1(245.5,65.53) v1(245.5,32.28) v1(245.6,72.65) v1(245.69,81.65) v1(245.68,73.95) v1(245.8,90.8) v1(245.98,55.4) v1(246.15,111.8) v1(246.2,109.75) v1(246.3,45.15) v1(246.45,69.1) v1(246.88,35.78) v1(247,64.23) v1(247.08,61.23) v1(247.1,58.48) v1(247.33,42.75) v1(247.4,53.98) v1(247.63,55.73) v1(247.6,37.7) v1(247.6,25.4) v1(247.6,20.15) v1(247.6,16.95) v1(247.73,59.1) v1(247.79,9.33) v1(248,111.8) v1(248,94.6) v1(248,64.95) v1(248.05,109.7) v1(248.53,72.1) v1(248.6,97.4) v1(248.63,47.03) v1(248.65,69.13) v1(248.8,91.2) v1(249.3,83.05) v1(249.71,88.91) v1(249.89,61.74) v1(250.04,47) v1(250.48,57.63) v1(250.53,56.1) v1(250.7,53.88) v1(250.85,74.3) v1(251.2,103.93) v1(251.34,76.26) v1(251.35,19.9) v1(251.45,63.18) v1(251.6,15.55) v1(251.56,7.88) v1(251.73,26.68) v1(251.75,87.5) v1(251.83,86.28) v1(251.78,84.97) v1(252,79.37) v1(252.13,59.3) v1(252.2,60.2) v1(252.4,69.03) v1(252.83,29.08) v1(252.85,72.58) v1(253.18,54.15) v1(253.35,64.2) v1(253.6,61.8) v1(254.03,40.75) v1(254.13,43.05) v1(254.25,78.73) v1(254.4,45.23) v1(254.45,109.55) v1(254.55,111.8) v1(254.6,49.58) v1(255.23,61.83) v1(255.25,54.93) v1(255.4,19) v1(255.4,13) v1(255.39,9.57) v1(255.6,25.48) v1(255.75,21.83) v1(255.88,49.55) v1(256.13,35.83) v1(256.15,61.78) v1(256.25,73.7) v1(256.43,54.65) v1(256.56,83.68) v1(256.6,82.42) v1(256.57,81.22) v1(256.61,80.04) v1(256.68,78.82) v1(256.78,76.24) v1(256.87,77.46) v1(256.88,31.88) v1(257.4,13) v1(257.63,46.4) v1(257.92,9.56) v1(258.2,97.2) v1(258.2,93.4) v1(259.43,45.5) v1(259.48,50.4) v1(259.88,50.83) v1(260.2,55.33) v1(260.4,60.5) v1(260.38,25.68) v1(260.4,13) v1(260.48,9.65) v1(260.63,61.08) v1(260.85,50.95) v1(261,102) v1(261.23,49.23) v1(261.3,69.75) v1(261.25,55.53) v1(261.33,50.35) v1(261.25,48.55) v1(261.43,54.75) v1(261.63,88.37) v1(261.58,56.83) v1(261.68,45.28) v1(261.78,58.68) v1(261.85,57.7) v1(262.23,31) v1(262.25,38.6) v1(262.93,68.05) v1(262.85,62.1) v1(263.04,9.59) v1(263.08,50.98) v1(263.23,60.23) v1(263.6,48.55) v1(263.7,28) v1(263.8,96.6) v1(264,45.28) v1(264.05,57.48) v1(265.33,72) v1(265.25,50.95) v1(265.38,34.9) v1(265.49,83.7) v1(265.51,82.45) v1(265.47,81.17) v1(265.52,80.05) v1(265.47,78.79) v1(265.48,77.53) v1(265.5,76.26) v1(265.45,72.8) v1(265.48,12.35) v1(265.54,9.55) v1(265.6,87.4) v1(265.55,54.9) v1(265.8,106.72) v1(265.9,57.25) v1(265.95,25.73) v1(266.6,54.83) v1(266.68,69.25) v1(267,96.8) v1(267.03,63) v1(267.15,64.55) v1(267.25,67.6) v1(267.28,58.83) v1(267.28,56.23) v1(267.58,68.83) v1(267.64,25.06) v1(267.73,54.7) v1(267.7,29.75) v1(267.8,42.95) v1(267.8,39.35) v1(267.75,35.68) v1(267.85,66.08) v1(268.18,70.68) v1(268.31,85.22) v1(268.25,62.85) v1(268.25,57.1) v1(268.38,75.86) v1(268.43,64.9) v1(268.6,44.5) v1(269.07,81.6) v1(269.1,69.6) v1(269.05,58.73) v1(269.35,56.63) v1(269.53,44.5) v1(269.61,77.14) v1(269.55,42.63) v1(269.83,39.35) v1(269.8,37.3) v1(269.77,24.76) v1(269.99,83.59) v1(270.03,30.63) v1(270.13,88.53) v1(270.05,87.16) v1(270.23,10.38) v1(270.28,58.78) v1(270.26,16.77) v1(270.4,97.2) v1(270.52,80.63) v1(270.6,69.3) v1(270.6,44.25) v1(270.9,50.23) v1(271,62.3) v1(271,51.35) v1(271.2,102.88) v1(271.3,66.6) v1(271.63,59.25) v1(271.7,42.63) v1(271.85,40.15) v1(272,86.8) v1(272.45,23.88) v1(272.68,48.4) v1(273.2,91.4) v1(273.48,35.65) v1(273.73,44.25) v1(274,111.45) v1(274.13,48.43) v1(274.2,66.3) v1(274.25,74.9) v1(274.4,64.2) v1(274.43,49.8) v1(274.4,33) v1(274.48,54.38) v1(274.53,43.68) v1(274.53,42.15) v1(274.63,55.25) v1(275,44.45) v1(275.08,108.45) v1(275.08,62.63) v1(275.33,48.4) v1(275.4,88.9) v1(275.38,74.6) v1(275.78,49.85) v1(275.9,73.78) v1(276.4,78.2) v1(276.6,55.8) v1(277.15,106.9) v1(277.4,48.43) v1(278,92.8) v1(278,71.6) v1(279.5,94.3) v1(279.8,74.6) v1(280.3,79.6) v1(280.6,82.4) v1(280.7,98.5) v1(280.8,109.3) v1(281,102.5) v1(282.6,87.6) v1(282.6,80.1) v1(282.85,44.9) v1(283.1,67.8) v1(283.2,103.1) v1(283.25,109.25) v1(283.5,49.68) v1(283.6,50.65) v1(285.85,44.38) v1(285.95,46.4) v1(285.95,43.3) v1(286.05,74.25) v1(286.05,47.55) v1(286.15,107.15) v1(286.7,88.9) v1(286.68,30.08) v1(286.8,73.5) v1(287,84.8) v1(286.95,24.1) v1(287.18,42.8) v1(287.5,55.38) v1(287.5,54.03) v1(287.55,52.15) v1(287.55,51.05) v1(287.78,44.4) v1(287.8,36.2) v1(288,93.1) v1(288.43,25.5) v1(288.9,98.3) v1(289.3,61.3) v1(289.33,26.6) v1(289.4,63.6) v1(289.4,58.2) v1(289.35,38.63) v1(289.63,52.25) v1(289.8,69.03) v1(289.8,56.13) v1(289.8,53.75) v1(289.93,50.58) v1(289.9,48) v1(289.88,44.2) v1(289.9,28.25) v1(290.2,21.2) v1(291.1,73.2) v1(291.2,71.9) v1(291.2,27.4) v1(292.03,41.65) v1(292.2,61.4) v1(292.2,46.68) v1(292.43,51.15) v1(292.45,36.05) v1(292.6,70.4) v1(292.7,64) v1(292.9,72.7) v1(293.2,68.1) v1(293.55,26.7)